# Altium PCB K60最小系统.PcbDoc (part 2 of 2)
Units mil, origin at the board's own origin, x right, y up, seen from the top; angles counter-clockwise.
Board outline 1811.08 x 1653.57 mil, 2 copper layers (Top Layer, Bottom Layer); 45 components, 126 nets, 376 pads, 53 vias.
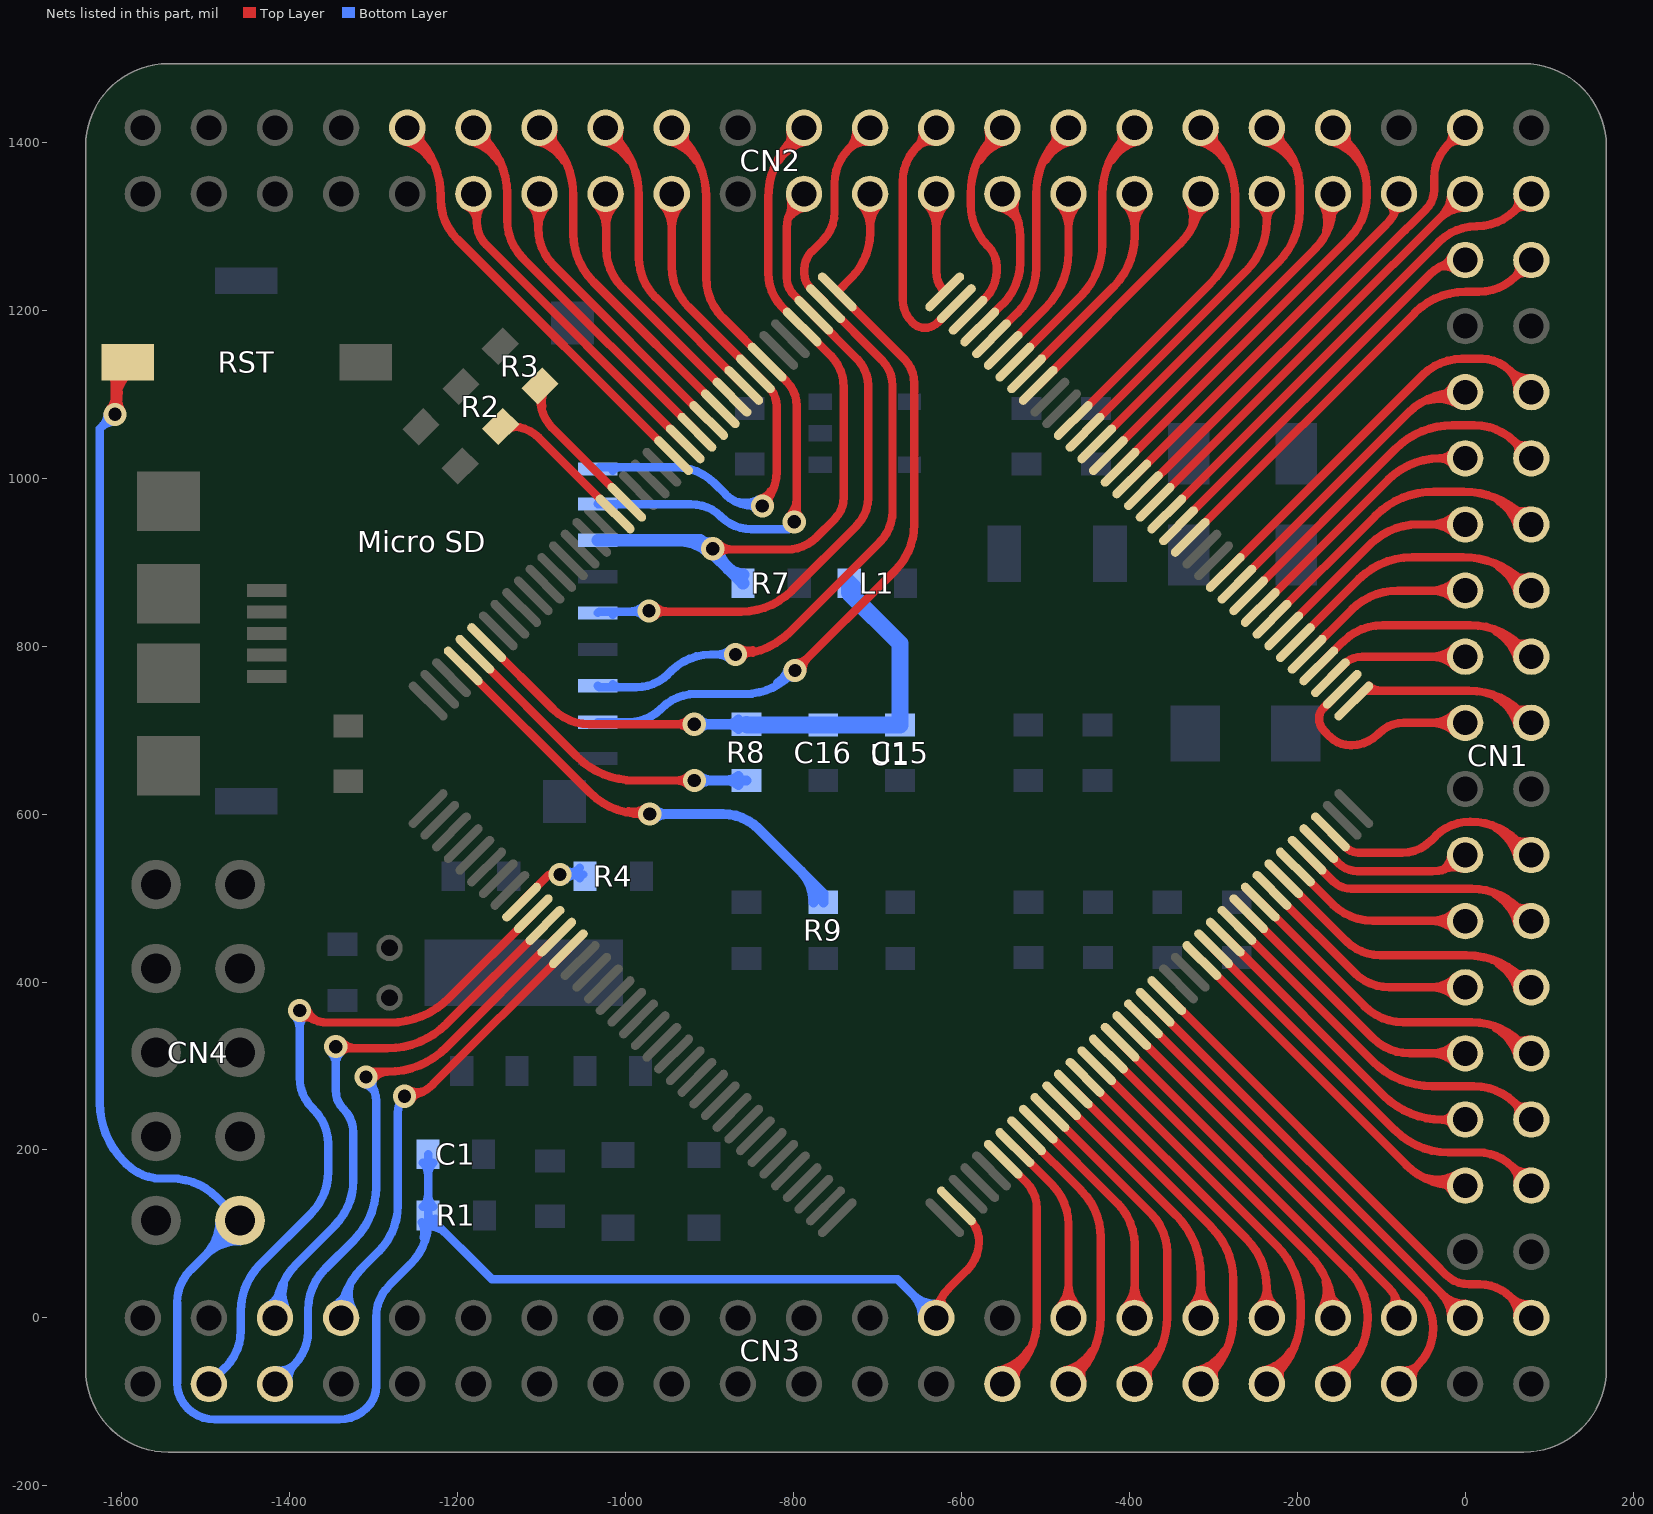
[diagram p2: the nets of this part, all layers, seen from the top]

## Via types
v1: diameter 27.56, hole 15.75, Top Layer to Bottom Layer, 36 vias
v2: diameter 31.5, hole 19.68, Top Layer to Bottom Layer, 13 vias
v3: diameter 25.59, hole 25.59, Top Layer to Bottom Layer, 2 vias
v4: diameter 39.37, hole 39.37, Top Layer to Bottom Layer, 2 vias

## Nets (pads, with @x,y where several pads share a name; then routed paths per layer and width w, separated by ;. In a path a pad name is that pad's centre, name@x,y a point inside that pad or via, vN(x,y) a via of type N, cw(c..) or ccw(c..) an arc to the next point about the centre after c; other vN are vias at no path point) (continued)
PTA27: CN3.28 U1.78 | length 427.8
  Top Layer w10: CN3.28@-554.83,-62.49 ccw(c-567.37,-6.68) -519.04,-37.28 ; CN3.28@-552.64,-72.25 ccw(c-559.89,-40) -531.96,-57.68 ; CN3.28@-551.18,-78.74 -535.14,-62.7 ; U1.78@-550.18,188.97 -523.21,162 ; CN3.28@-544.09,-63.67 ccw(c-540.66,-56.39) -533.87,-60.7 ccw(c-521.27,-68.67) CN3.28@-535.4,-73.43 ; CN3.28@-543.47,-63.98 ccw(c-540.18,-57.67) -535.14,-62.7 ; CN3.28@-536.42,-71.03 cw(c-530.11,-67.74) -535.14,-62.7 ; -535.13,-62.68 ccw(c-595.85,-2) -510,-2 -510,130.12 ccw(c-555.09,130.12) -523.18,161.97 ; CN3.28@-534.93,-75.09 cw(c-512.29,-70) -531.9,-57.59
PTA28: CN3.29 U1.79 | length 289.6
  Top Layer w10: U1.79@-536.26,202.89 -492,158.63 ; -491.97,158.61 cw(c-539.22,111.41) -472.44,111.41 CN3.29@-472.44,0 ; CN3.29@-484.22,11.78 ccw(c-512.65,40.21) -472.44,40.21 ccw(c-432.24,40.21) CN3.29@-460.66,11.78
PTA29: CN3.30 U1.80 | length 424.2
  Top Layer w10: U1.80@-522.34,216.81 -457,151.47 ; CN3.30@-476.3,-62.54 ccw(c-488.01,-13.46) -445.03,-39.89 ; CN3.30@-473.98,-72.27 ccw(c-480.09,-46.67) -457.67,-60.46 ; CN3.30@-472.44,-78.74 -463.29,-69.59 ccw(c-534,1.12) -434,1.12 -434,95.94 ccw(c-512.53,95.94) -456.98,151.45 ; CN3.30@-456.24,-74.88 cw(c-427.1,-67.93) -452.62,-52.24
PTB0: CN3.31 U1.81 | length 338.4
  Top Layer w10: U1.81@-508.42,230.73 -414,136.31 cw(c-463.01,87.3) -393.7,87.3 CN3.31@-393.7,0 ; CN3.31@-405.48,11.78 ccw(c-433.91,40.21) -393.7,40.21 ccw(c-353.5,40.21) CN3.31@-381.92,11.78
PTB1: CN3.32 U1.82 | length 474.1
  Top Layer w10: U1.82@-494.5,244.65 -374,124.15 cw(c-419.87,78.28) -355,78.28 -355,1.38 cw(c-455,1.38) -384.29,-69.33 CN3.32@-393.7,-78.74 ; CN3.32@-397.54,-62.53 ccw(c-409.21,-13.22) -366.09,-39.84 ; CN3.32@-395.23,-72.27 ccw(c-401.35,-46.45) -378.77,-60.38 ; CN3.32@-377.49,-74.9 cw(c-348.56,-68.05) -373.86,-52.44
PTB2: CN3.33 U1.83 | length 386
  Top Layer w10: U1.83@-480.58,258.57 -344.25,122.24 cw(c-414.96,51.53) -314.96,51.53 CN3.33@-314.96,0 ; CN3.33@-326.74,11.78 ccw(c-355.17,40.21) -314.96,40.21 ccw(c-274.76,40.21) CN3.33@-303.18,11.78
PTB3: CN3.34 U1.84 | length 522.3
  Top Layer w10: U1.84@-466.66,272.49 -302.17,108 cw(c-365.36,44.81) -276,44.81 -276,1.64 cw(c-376,1.64) -305.29,-69.07 CN3.34@-314.96,-78.74 ; CN3.34@-318.77,-62.53 ccw(c-330.41,-12.99) -287.15,-39.79 ; CN3.34@-316.48,-72.26 ccw(c-322.6,-46.23) -299.86,-60.31 ; CN3.34@-298.75,-74.93 cw(c-270.01,-68.18) -295.11,-52.63
PTB4: CN3.35 U1.85 | length 423.8
  Top Layer w10: U1.85@-452.74,286.41 -260.67,94.33 cw(c-319.69,35.31) -236.22,35.31 ; CN3.35@-246.81,12.85 ccw(c-265.33,35.31) -236.22,35.31 ; CN3.35@-236.22,0 -236.22,35.31 ; CN3.35@-225.63,12.85 cw(c-207.11,35.31) -236.22,35.31
PTB5: CN3.36 U1.86 | length 572.7
  Top Layer w10: U1.86@-438.82,300.32 -224.64,86.15 cw(c-293.79,17) -196,17 -196,2.9 cw(c-296,2.9) -225.29,-67.81 CN3.36@-236.22,-78.74 ; CN3.36@-239.9,-62.5 ccw(c-251.36,-11.91) -207.49,-39.58 ; CN3.36@-237.69,-72.25 ccw(c-243.82,-45.21) -220.36,-60 ; CN3.36@-219.98,-75.06 cw(c-192.14,-68.75) -216.28,-53.53
PTB6: CN3.37 U1.87 | length 484
  Top Layer w10: U1.87@-424.9,314.24 -186,75.34 cw(c-254.85,6.49) -185.96,75.3 cw(c-254.85,6.49) -157.48,6.49 CN3.37@-157.48,0 ; CN3.37@-171.67,8.72 ccw(c-210.3,32.47) -166.19,42.99 ; -164.5,35.92 ccw(c-130.4,44.06) CN3.37@-148.76,14.19
PTB7: CN3.38 U1.88 | length 626.5
  Top Layer w10: U1.88@-410.98,328.16 -138.76,55.94 cw(c-193.7,1) -116,1 cw(c-208.37,1) CN3.38@-143.03,-64.29 ; CN3.38@-161.06,-62.48 ccw(c-172.95,-8.54) -126.41,-38.28 ; CN3.38@-158.91,-72.24 ccw(c-165.6,-41.89) -139.41,-58.62 ; CN3.38@-157.48,-78.74 CN3.38@-143.05,-64.31 ; CN3.38@-141.22,-75.16 cw(c-116.62,-69.74) -137.85,-56.18
PTB8: CN3.39 U1.89 | length 499.4
  Top Layer w10: U1.89@-397.06,342.08 -92,37.02 cw(c-124.01,5.01) -78.74,5.01 CN3.39@-78.74,0 ; CN3.39@-88.48,13.5 ccw(c-95.03,22.58) -84.22,25.48 ccw(c-71.59,28.86) CN3.39@-74.74,16.16
PTB9: CN3.40 U1.90 | length 631.5
  Top Layer w10: U1.90@-383.14,356 -54.16,27.02 cw(c-93.19,-12) -38,-12 cw(c-100.77,-12) -56.36,-56.36 ; CN3.40@-78.74,-78.74 -56.38,-56.38 ; CN3.40@-75.69,-62.37 ccw(c-71.72,-41.06) -56.39,-56.39 ; CN3.40@-62.37,-75.69 cw(c-41.06,-71.72) -56.39,-56.39
PTB10: CN1.38 U1.91 | length 585.8
  Top Layer w10: U1.91@-369.22,369.92 CN1.38@0.35,0.35 ; -28.92,29.62 cw(c-58.55,0) CN1.38@-16.65,0 ; -27.24,27.94 ccw(c0,55.17) CN1.38@0,16.65
PTB11: CN1.37 U1.92 | length 640.7
  Top Layer w10: U1.92@-355.3,383.84 -35.65,64.19 -35.65,63.97 -23.34,51.66 ccw(c4.81,79.81) 4.81,40 17.53,40 cw(c17.53,-11.21) 53.73,25.01 ; CN1.37@62.16,1.58 ccw(c33.09,4.35) 53.74,25 ; CN1.37@77.16,16.58 cw(c74.39,45.65) 53.74,25 ; CN1.37@78.74,0 53.74,25
PTB16: CN1.34 U1.95 | length 503.7
  Top Layer w10: U1.95@-313.55,425.6 -69.95,182 ; -69.91,181.97 ccw(c-10.75,241.2) -10.75,157.48 CN1.34@0,157.48 ; -45.7,166.29 ccw(c-33.73,213.78) CN1.34@-8.56,171.77 ; -33.48,163.21 cw(c-41.11,132.92) CN1.34@-14.3,148.94 ; -22.33,160.4 ccw(c-16.23,184.58) CN1.34@-3.42,163.19
PTB17: CN1.33 U1.96 | length 531.5
  Top Layer w10: U1.96@-299.63,439.52 -83.35,223.24 ccw(c-20,286.58) -20,197 15.18,197 cw(c15.18,138.96) 56.19,180.03 ; CN1.33@62.35,160.43 ccw(c40.58,164.36) 56.22,180 ; CN1.33@75.79,173.87 cw(c71.86,195.64) 56.22,180 ; CN1.33@78.74,157.48 56.22,180
PTB18: CN1.32 U1.97 | length 402.8
  Top Layer w10: U1.97@-285.71,453.44 -97.13,264.87 ccw(c-27.45,334.55) -27.45,236 ; CN1.32@-14.86,243.74 cw(c-27.44,250.1) -27.44,236 ; CN1.32@-14.68,228.36 ccw(c-27.44,221.52) -27.44,236 ; CN1.32@0,236.22 -0.22,236 -27.45,236
PTB19: CN1.31 U1.98 | length 469.7
  Top Layer w10: U1.98@-271.79,467.36 -109.72,305.29 ccw(c-39.01,376) -39.01,276 10,276 cw(c10,206.08) 59.44,255.52 ; CN1.31@62.88,241.3 ccw(c49.51,245.59) 59.44,255.52 ; CN1.31@73.66,252.08 cw(c69.37,265.45) 59.44,255.52 ; CN1.31@78.74,236.22 59.44,255.52
PTB20: CN1.30 U1.99 | length 387.3
  Top Layer w10: U1.99@-257.87,481.28 -109.59,333 ; -109.56,332.97 ccw(c-66.13,376.46) -66.13,315 CN1.30@0,314.96 CN1.30@0,314.96 ; -40.3,315 cw(c-40.3,274.66) CN1.30@-11.78,303.18 ; -40.11,315 ccw(c-40.11,355.07) CN1.30@-11.78,326.74
PTB21: CN1.29 U1.100 | length 479.5
  Top Layer w10: U1.100@-243.95,495.2 -120,371.25 ccw(c-73.53,417.72) -73.53,352 8,352 cw(c8,270.64) 65.53,328.17 CN1.29@78.74,314.96 ; 36.57,345.11 cw(c8.11,296.48) CN1.29@62.63,310.74 ; 56.28,333.58 ccw(c68.43,354.34) CN1.29@74.52,331.07 ; 57.41,332.92 cw(c41.14,305.12) CN1.29@72.3,313.28
PTB22: CN1.28 U1.101 | length 338.4
  Top Layer w10: U1.101@-230.03,509.12 -131.96,411.04 ; -131.92,411.01 ccw(c-90.09,452.91) -90.09,393.7 CN1.28@0,393.7 ; CN1.28@-11.78,381.92 ccw(c-40.21,353.5) -40.21,393.7 ccw(c-40.21,433.91) CN1.28@-11.78,405.48
PTB23: CN1.27 U1.102 | length 426.9
  Top Layer w10: U1.102@-216.11,523.04 -142,448.93 ccw(c-101.14,489.79) -101.14,432 1,432 cw(c1,336.78) CN1.27@68.3,404.14 ; 39.06,421.97 cw(c11.95,377.52) CN1.27@62.55,389.78 ; 53.39,413.24 ccw(c68.15,437.43) CN1.27@74.82,409.89 ; 59.67,409.4 cw(c45.13,385.56) CN1.27@72.27,392.13 ; CN1.27@68.33,404.11 CN1.27@78.74,393.7
PTC0: CN1.26 U1.103 | length 288.4
  Top Layer w10: U1.103@-202.19,536.95 -158,492.76 ; -157.97,492.74 ccw(c-110.28,540.48) -110.28,473 CN1.26@-0.56,473 ; -41.56,473 cw(c-41.56,430.88) CN1.26@-11.78,460.66 ; -38.85,473 ccw(c-38.85,511.3) CN1.26@-11.78,484.22
PTC1: CN1.25 U1.104 | length 427.8
  Top Layer w10: U1.104@-188.27,550.87 -157.4,520 ccw(c-135.67,541.73) -135.67,511 8,511 cw(c8,433.31) 62.94,488.24 ; 35.75,504.51 cw(c5.55,454.04) CN1.25@62.59,468.38 ; 56.46,492.12 cw(c38.67,462.37) CN1.25@72.29,470.82 ; 58.32,491 ccw(c69.41,509.54) CN1.25@74.68,488.59 ; CN1.25@63.62,479.42 ccw(c56.27,482.81) 60.43,489.75 ccw(c68.62,503.43) CN1.25@73.57,488.27 ; CN1.25@64.09,480.36 ccw(c58.22,483.53) 62.94,488.24 ; CN1.25@70.82,487.09 cw(c67.65,492.96) 62.94,488.24 ; CN1.25@78.74,472.44 62.94,488.24
PTC2: CN1.24 U1.105 | length 238
  Top Layer w10: U1.105@-174.35,564.79 -151,541.44 ccw(c-128.2,564.24) -128.2,532 -39,532 ccw(c-39,579.85) -5.17,546.01 CN1.24@0,551.18 ; CN1.24@-16.65,551.53 cw(c-38.48,551.99) -27.56,533.09 cw(c-13.85,509.34) CN1.24@-5.23,535.37
PTC3: CN1.23 U1.106 | length 410.7
  Top Layer w10: U1.106@-160.43,578.71 -141.86,560.14 ccw(c-127.03,574.97) -127.03,554 -75,554 ccw(c-75,602.28) -40.88,568.12 ; -40.86,568.14 -34.97,574.03 cw(c6,533.06) 6,591 cw(c6,511.52) 62.18,567.74 ; 36.13,583.74 cw(c5.36,533.64) CN1.23@62.54,547.31 ; 56.7,571.11 cw(c38.56,541.58) CN1.23@72.27,549.63 ; 58.53,569.98 ccw(c69.84,588.4) CN1.23@74.87,567.38 ; CN1.23@63.44,557.77 ccw(c55.04,561.39) 59.83,569.19 ccw(c69.27,584.56) CN1.23@74.2,567.2 ; CN1.23@63.76,558.45 ccw(c56.47,561.99) 62.2,567.72 ; CN1.23@71.47,566.16 cw(c67.93,573.45) 62.2,567.72 ; CN1.23@78.74,551.18 62.2,567.72
PTC4: CN1.19 U1.109 | length 330.9
  Top Layer w10: U1.109@-132.59,734.61 -120.2,747 4,747 cw(c4,659.12) 66.14,721.26 CN1.19@78.74,708.66 ; U1.109@-114.55,752.65 ccw(c-100.91,766.29) -100.91,747 ; 37.75,738.44 cw(c9.41,691.59) CN1.19@62.57,704.68 ; 55.34,727.79 ccw(c68.63,749.75) CN1.19@74.76,724.83 ; 58.4,725.94 cw(c42.56,699.76) CN1.19@72.28,707.07
PTC5: CN1.20 U1.110 | length 305.8
  Top Layer w10: U1.110@-146.51,748.53 -169.02,726.02 ccw(c-157,714) -174,714 ccw(c-152.27,714) -167.64,698.64 -160.9,691.9 ccw(c-137,715.8) -137,682 -135.38,682 ccw(c-135.38,726.38) -104,695 -102.6,696.4 ; -102.59,696.41 cw(c-73,666.8) -73,708.66 CN1.20@0,708.66 ; CN1.20@-11.78,696.89 ccw(c-40.21,668.46) -40.21,708.66 ccw(c-40.21,748.87) CN1.20@-11.78,720.44
PTC6: CN1.18 U1.111 | length 232.6
  Top Layer w10: U1.111@-160.43,762.45 U1.111@-144.44,778.44 ; U1.111@-144.43,778.46 cw(c-122.81,756.81) -122.81,787.4 CN1.18@0,787.4 ; CN1.18@-11.78,775.63 ccw(c-40.21,747.2) -40.21,787.4 ccw(c-40.21,827.61) CN1.18@-11.78,799.18
PTC7: CN1.17 U1.112 | length 370
  Top Layer w10: U1.112@-174.35,776.37 -145.36,805.36 cw(c-97.95,757.95) -97.95,825 6,825 cw(c6,740.16) CN1.17@65.96,800.18 ; 37.21,817.27 cw(c8.89,769.63) CN1.17@62.6,783.29 ; 55.71,806.28 ccw(c68.47,827.76) CN1.17@74.63,803.54 ; 57.96,804.94 cw(c41.98,778.05) CN1.17@72.29,785.76 ; CN1.17@65.99,800.15 CN1.17@78.74,787.4
PTC8: CN1.16 U1.113 | length 279.5
  Top Layer w10: U1.113@-188.27,790.29 -135.34,843.22 cw(c-80,787.88) -80,866.14 CN1.16@0,866.14 ; CN1.16@-11.78,854.37 ccw(c-40.21,825.94) -40.21,866.14 ccw(c-40.21,906.35) CN1.16@-11.78,877.92
PTC9: CN1.15 U1.114 | length 416.1
  Top Layer w10: U1.114@-202.19,804.21 -127,879.4 ; -126.98,879.42 cw(c-62.78,815.18) -62.78,906 -2.54,906 cw(c-2.54,806) 68.17,876.71 CN1.15@78.74,866.14 ; 39.63,894.61 cw(c12.21,850.91) CN1.15@62.51,862.42 ; 53.28,886.05 ccw(c68.59,910.46) CN1.15@75.02,882.37 ; 60.08,881.78 cw(c45.49,858.53) CN1.15@72.25,864.66
PTC10: CN1.14 U1.115 | length 328.3
  Top Layer w10: U1.115@-216.11,818.13 -113.24,921 ; -113.21,921.02 cw(c-55.58,863.35) -55.58,944.88 CN1.14@0,944.88 ; CN1.14@-11.78,933.11 ccw(c-40.21,904.68) -40.21,944.88 ccw(c-40.21,985.09) CN1.14@-11.78,956.66
PTC11: CN1.13 U1.116 | length 463.6
  Top Layer w10: U1.116@-230.03,832.05 -107.04,955.04 cw(c-37.12,885.12) -107,955.08 cw(c-37.12,885.12) -37.12,984 -1.8,984 cw(c-1.8,884) 68.91,954.71 CN1.13@78.74,944.88 ; 39.76,972.81 cw(c12.85,929.47) CN1.13@62.52,941.09 ; 52.75,964.75 ccw(c68.25,989.72) CN1.13@74.95,961.1 ; 60.27,960.08 cw(c46.09,937.24) CN1.13@72.26,943.37
PTC12: CN1.12 U1.117 | length 351.8
  Top Layer w10: U1.117@-243.95,845.97 -91.91,998 cw(c-30.06,936.14) -30.06,1023.62 ; CN1.12@-14.12,1014.79 ccw(c-30.06,1004.82) -30.06,1023.62 ; CN1.12@-14.12,1032.45 cw(c-30.06,1042.42) -30.06,1023.62 ; CN1.12@0,1023.62 -30.06,1023.62
PTC13: CN1.11 U1.118 | length 460.8
  Top Layer w10: U1.118@-257.87,859.89 -82.75,1035 cw(c-15.16,967.4) -15.16,1063 11,1063 cw(c11,994.53) 59.42,1042.95 ; CN1.11@62.88,1028.69 ccw(c49.45,1032.98) 59.42,1042.94 ; CN1.11@73.67,1039.48 cw(c69.38,1052.91) 59.42,1042.94 ; CN1.11@78.74,1023.62 59.42,1042.95
PTC14: CN1.10 U1.119 | length 426
  Top Layer w10: U1.119@-271.79,873.81 -68,1077.59 cw(c-8.2,1017.79) -67.96,1077.63 cw(c-8.2,1017.79) -8.2,1102.36 CN1.10@0,1102.36 ; -44.32,1092.75 cw(c-32.13,1046.94) CN1.10@-8.35,1087.95 ; -34.47,1095.37 ccw(c-42.96,1127.26) CN1.10@-14.41,1110.71
PTC15: CN1.9 U1.120 | length 536.7
  Top Layer w10: U1.120@-285.71,887.72 -50.83,1122.6 ; -50.82,1122.62 cw(c-4,1075.78) -4,1142 20,1142 cw(c20,1095.88) 52.61,1128.49 ; CN1.9@62.12,1103.38 ccw(c29.51,1105.39) 52.61,1128.49 ; CN1.9@77.72,1118.98 cw(c75.71,1151.6) 52.61,1128.49 ; CN1.9@78.74,1102.36 52.61,1128.49
PTC16: CN1.5 U1.123 | length 566.7
  Top Layer w10: U1.123@-327.46,929.48 -60,1196.95 cw(c0.48,1136.47) -59.96,1196.99 cw(c0.48,1136.47) 0.48,1222 16.02,1222 ccw(c16.02,1284.72) 60.34,1240.34 ; CN1.5@63.21,1253.83 cw(c51.46,1249.28) 60.37,1240.37 ; CN1.5@74.05,1243.86 ccw(c70.15,1230.59) 60.37,1240.37 ; CN1.5@78.74,1259.84 78.74,1258.74 60.37,1240.37
PTC17: CN1.6 U1.124 | length 510.8
  Top Layer w10: U1.124@-341.38,943.4 -42.58,1242.2 ; -42.56,1242.22 cw(c0,1199.62) CN1.6@0,1259.84 ; CN1.6@-15.77,1265.2 cw(c-35.5,1271.91) -30.11,1251.77 cw(c-24.71,1231.64) CN1.6@-10.98,1247.32
PTC18: CN1.3 U1.125 | length 619.6
  Top Layer w10: U1.125@-355.3,957.32 -31.29,1281.34 ; -31.27,1281.36 cw(c13.77,1236.28) 13.77,1300 ccw(c13.77,1363.72) 58.82,1318.66 ; CN1.3@62.75,1333.94 cw(c47.86,1329.62) 58.82,1318.66 ; CN1.3@74.1,1322.59 ccw(c69.78,1307.7) 58.82,1318.66 ; CN1.3@78.74,1338.58 58.82,1318.66
PTC19: CN1.4 U1.126 | length 583.1
  Top Layer w10: U1.126@-369.22,971.24 -86.46,1254 -86.03,1254 CN1.4@-1.45,1338.58 ; -30.9,1309.13 cw(c0,1278.23) CN1.4@0,1321.93 ; -27.41,1312.62 ccw(c-53.36,1338.58) CN1.4@-16.65,1338.58
PTD0: CN1.2 U1.127 | length 623.2
  Top Layer w10: U1.127@-383.14,985.16 -382.62,985.16 -359.41,1008.37 -358.96,1008.37 -71.88,1295.45 -71.45,1295.45 -63.97,1302.93 -46.24,1320.66 ccw(c-68.55,1342.97) -37,1342.97 -37,1357 cw(c19.3,1357) -20.51,1396.81 ; CN1.2@-16.11,1413.09 cw(c-32.48,1408.78) -20.51,1396.81 ; CN1.2@-4.23,1401.22 ccw(c-8.54,1384.84) -20.51,1396.81 ; CN1.2@0,1417.32 -20.51,1396.81
PTD1: CN2.40 U1.128 | length 497.7
  Top Layer w10: U1.128@-397.06,999.08 -93.72,1302.42 ccw(c-129.87,1338.58) CN2.40@-78.74,1338.58 ; CN2.40@-89.59,1325.95 cw(c-97.86,1316.3) -85.59,1313.02 cw(c-73.32,1309.73) CN2.40@-75.66,1322.21
PTD2: CN2.37 U1.129 | length 673.8
  Top Layer w10: U1.129@-410.98,1013 -138,1285.98 ccw(c-188.7,1336.68) -117,1336.68 -117,1343 ccw(c-198.7,1343) -140.93,1400.77 ; CN2.37@-161.24,1401.1 cw(c-174.41,1344.34) -124.97,1375.16 ; CN2.37@-158.98,1410.84 cw(c-166.7,1377.6) -137.74,1395.65 ; CN2.37@-157.48,1417.32 -140.93,1400.77 ; CN2.37@-150.81,1402.06 cw(c-147.21,1393.8) -139.56,1398.57 cw(c-124.79,1407.78) CN2.37@-141.49,1412.65 ; CN2.37@-150.22,1402.34 cw(c-146.67,1395.03) -140.93,1400.77 ; CN2.37@-142.5,1410.06 ccw(c-135.19,1406.51) -140.93,1400.77 ; CN2.37@-141.26,1413.56 ccw(c-119.69,1408.55) -138.48,1396.84
PTD3: CN2.38 U1.130 | length 498.1
  Top Layer w10: U1.130@-424.9,1026.92 -179,1272.82 ccw(c-230.95,1324.77) -157.48,1324.77 CN2.38@-157.48,1338.58 ; CN2.38@-171.38,1329.4 cw(c-207.71,1305.4) -165.64,1294.18 ; CN2.38@-163.03,1334.91 cw(c-182.86,1321.82) -159.9,1315.7 ; -162.19,1307.12 cw(c-135.08,1299.89) CN2.38@-149.14,1324.17
PTD4: CN2.35 U1.131 | length 617.9
  Top Layer w10: U1.131@-438.82,1040.84 -222.66,1257 ; CN2.35@-240.17,1401.14 cw(c-254,1344.48) -204.15,1374.77 ; CN2.35@-237.8,1410.86 cw(c-245.9,1377.65) -216.69,1395.4 ; CN2.35@-236.22,1417.32 -220.41,1401.51 ; CN2.35@-229.18,1402.23 cw(c-225.79,1394.99) -218.96,1399.14 cw(c-205.73,1407.18) CN2.35@-220.42,1412.06 ; CN2.35@-228.31,1402.67 cw(c-225.14,1396.78) -220.41,1401.51 ; -222.63,1257.02 ccw(c-284.6,1318.94) -197,1318.94 -197,1345 ccw(c-276.91,1345) -220.39,1401.49 ; CN2.35@-221.56,1409.41 ccw(c-215.68,1406.24) -220.41,1401.51 ; CN2.35@-220.04,1413.37 ccw(c-198.59,1408.14) -217.46,1396.67
PTD5: CN2.36 U1.132 | length 413.6
  Top Layer w10: U1.132@-452.74,1054.76 -261,1246.5 ccw(c-320.82,1306.32) -260.96,1246.54 ccw(c-320.82,1306.32) -236.22,1306.32 ; CN2.36@-245.87,1325.01 cw(c-259.14,1306.32) -236.22,1306.32 ; CN2.36@-236.22,1338.58 -236.22,1306.32 ; CN2.36@-226.58,1325.01 ccw(c-213.3,1306.32) -236.22,1306.32
PTD6: CN2.33 U1.133 | length 522.2
  Top Layer w10: U1.133@-466.66,1068.68 -303.29,1232.05 ccw(c-374,1302.76) -274,1302.76 -274,1334.94 ccw(c-374,1334.94) -303.29,1405.65 CN2.33@-314.96,1417.32 ; CN2.33@-318.56,1401.06 cw(c-329.9,1349.91) -285.71,1378.06 ; CN2.33@-316.4,1410.83 cw(c-322.51,1383.24) -298.68,1398.42 ; CN2.33@-298.7,1413.72 ccw(c-271.35,1407.66) -294.98,1392.6
PTD7: CN2.34 U1.136 | length 367.8
  Top Layer w10: U1.136@-508.42,1110.44 -339.49,1279.36 ccw(c-398.71,1338.58) CN2.34@-314.96,1338.58 ; CN2.34@-329.38,1330.25 cw(c-364.2,1310.15) -325.37,1299.75 cw(c-286.53,1289.34) CN2.34@-306.63,1324.16
PTD8: CN2.32 U1.137 | length 327
  Top Layer w10: U1.137@-522.34,1124.35 -418.69,1228 ccw(c-479.02,1288.33) -393.7,1288.33 CN2.32@-393.7,1338.58 ; CN2.32@-405.48,1326.81 cw(c-433.91,1298.38) -393.7,1298.38 cw(c-353.5,1298.38) CN2.32@-381.92,1326.81
PTD9: CN2.31 U1.138 | length 413.7
  Top Layer w10: U1.138@-536.26,1138.27 -458,1216.53 ccw(c-520.77,1279.3) -432,1279.3 -432,1337.6 cw(c-332,1337.6) -402.71,1408.31 CN2.31@-393.7,1417.32 ; -421,1378.5 cw(c-378.1,1352.18) CN2.31@-389.82,1401.13 ; -413.51,1390.71 ccw(c-439.15,1406.44) CN2.31@-409.9,1413.44 ; -408.38,1399.08 cw(c-386.05,1385.38) CN2.31@-392.15,1410.85
PTD10: CN2.30 U1.139 | length 277.6
  Top Layer w10: U1.139@-550.18,1152.19 -500.37,1202 ; -500.34,1202.03 ccw(c-567.79,1269.43) -472.44,1269.43 CN2.30@-472.44,1338.58 ; CN2.30@-484.22,1326.81 cw(c-512.65,1298.38) -472.44,1298.38 cw(c-432.24,1298.38) CN2.30@-460.66,1326.81
PTD11: CN2.29 U1.140 | length 365.5
  Top Layer w10: U1.140@-564.1,1166.11 -533,1197.21 ccw(c-586.11,1250.32) -511,1250.32 -511,1337.34 cw(c-411,1337.34) -481.71,1408.05 CN2.29@-472.44,1417.32 ; -499.94,1378.45 cw(c-456.9,1351.93) CN2.29@-468.59,1401.12 ; -492.27,1390.91 ccw(c-517.69,1406.57) CN2.29@-488.64,1413.47 ; -487.28,1399 cw(c-464.79,1385.15) CN2.29@-470.9,1410.85
PTD12: CN2.28 U1.141 | length 237.6
  Top Layer w10: U1.141@-578.01,1180.03 -550.21,1207.83 ccw(c-599.01,1256.63) -530,1256.63 -530,1287.45 ccw(c-602.32,1287.45) CN2.28@-551.18,1338.58 ; CN2.28@-554.65,1322.29 cw(c-561.68,1289.29) -532.46,1306.16 cw(c-503.24,1323.04) CN2.28@-535.34,1333.44
PTD13: CN2.27 U1.142 | length 338.5